# KiCad board skibidi-phone-usb-hub.kicad_pcb
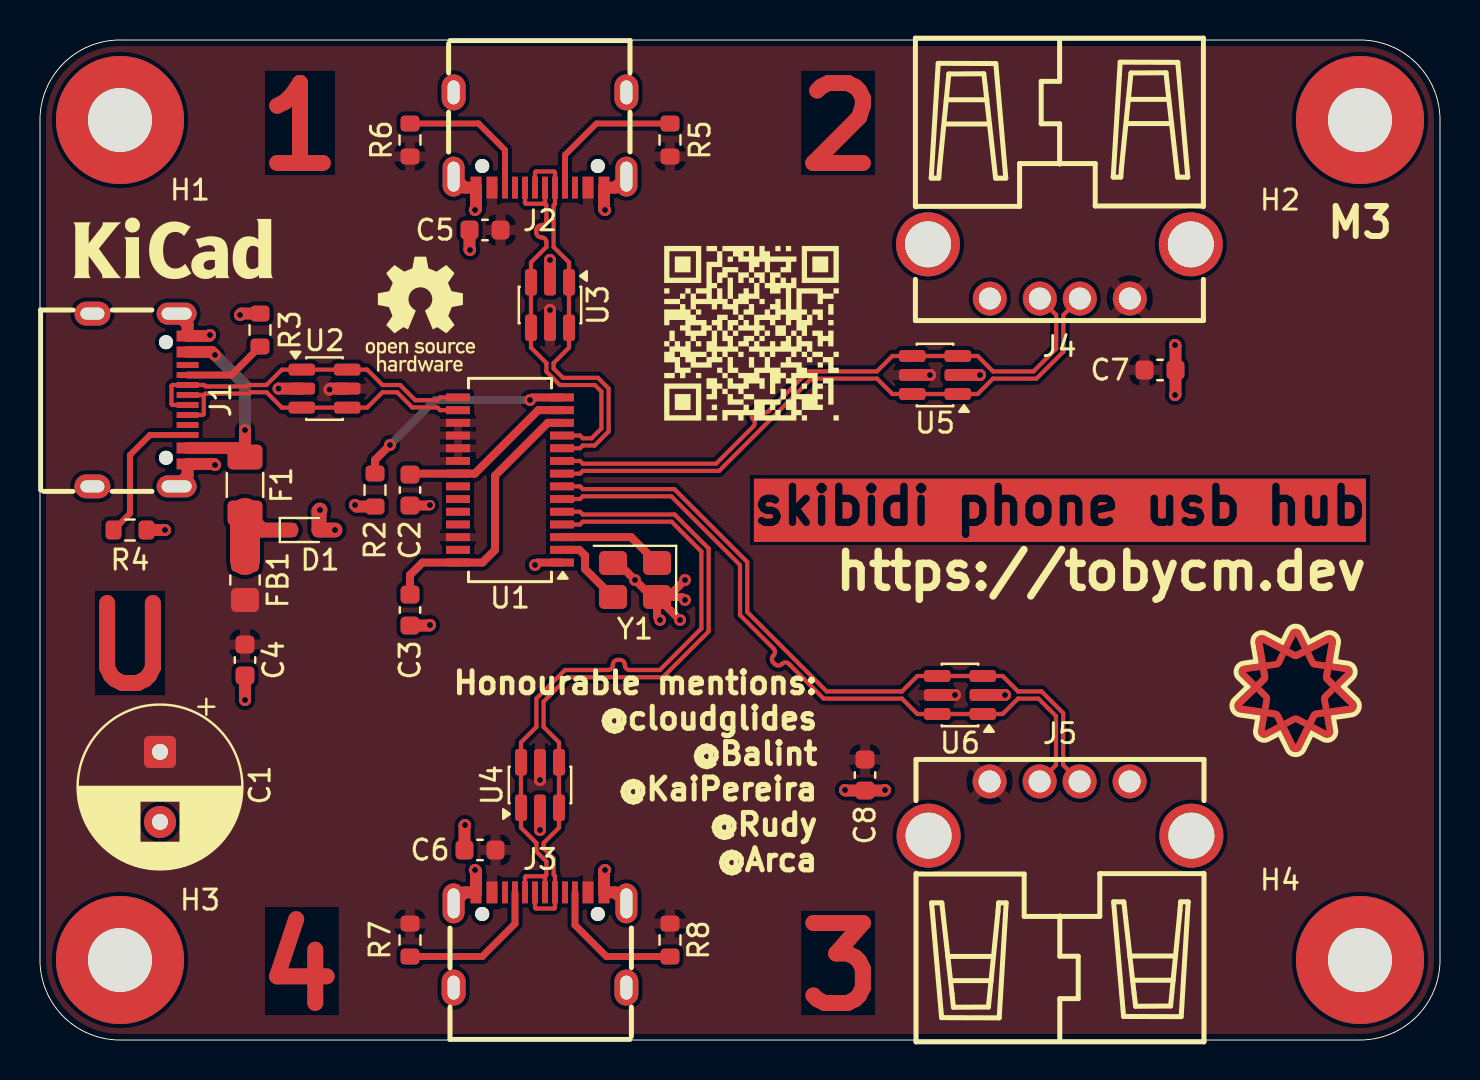
[diagram p0: board, top side]
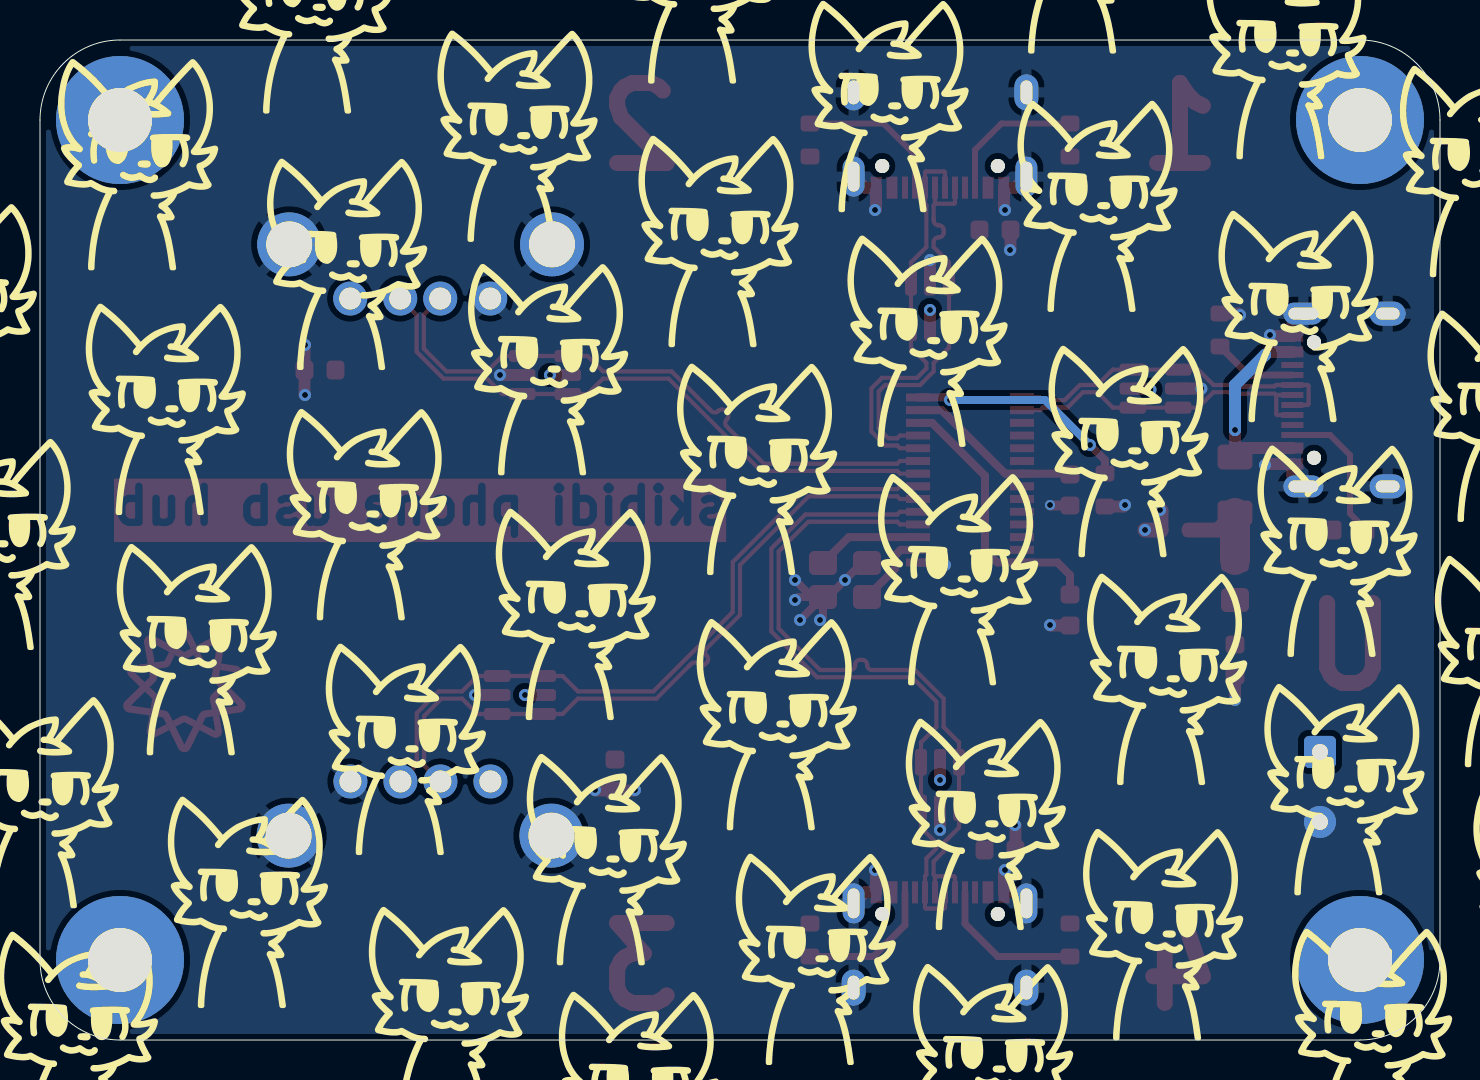
[diagram p1: board, bottom side, seen from below]

Outline 70 x 50 mm; copper layers: Top, In1.Cu, In2.Cu, Bottom. Coordinates in mm from the lower left corner of the outline.
Outline path: 0,46 arc(1.17,48.83) 4,50 66,50 arc(68.83,48.83) 70,46 70,4 arc(68.83,1.17) 66,0 4,0 arc(1.17,1.17) 0,4 0,46
Stack: Top 0.035mm / dielectric 0.1mm FR4 er 4.5 / In1.Cu 0.035mm / dielectric 1.24mm FR4 er 4.5 / In2.Cu 0.035mm / dielectric 0.1mm FR4 er 4.5 / Bottom 0.035mm

## Placement (name value [footprint] x y rotation side)
C1  470u  [CP_Radial_D8.0mm_P3.50mm]  6 14.4 270 top
C2  10u  [C_0603_1608Metric]  18.5 27.5 270 top
C3  10u  [C_0603_1608Metric]  18.5 21.5 270 top
C4  10u  [C_0603_1608Metric]  10.25 19 270 top
C5  10u  [C_0603_1608Metric]  22.25 40.5 180 top
C6  10u  [C_0603_1608Metric]  22 9.5 180 top
C7  10u  [C_0603_1608Metric]  56 33.5 0 top
C8  10u  [C_0603_1608Metric]  41.25 13.25 270 top
D1  5V  [D_SOD-523]  13.25 25.5 0 top
F1  2A  [Fuse_1206_3216Metric]  10.25 27.75 270 top
FB1  220Ω@100MHz  [R_0805_2012Metric_Pad1.20x1.40mm_HandSolder]  10.25 23 270 top
H1  MountingHole  [MountingHole_3.2mm_M3_Pad]  4 46 0 top
H2  MountingHole  [MountingHole_3.2mm_M3_Pad]  66 46 0 top
H3  MountingHole  [MountingHole_3.2mm_M3_Pad]  4 4 0 top
H4  MountingHole  [MountingHole_3.2mm_M3_Pad]  66 4 0 top
J1  USB_C_Receptacle_USB2.0_16P  [USB-C-SMD_TYPE-C-6PIN-2MD-073]  5 32 270 top
J2  USB_C_Receptacle_USB2.0_16P  [USB-C-SMD_TYPE-C-6PIN-2MD-073]  25 45 180 top
J3  USB_C_Receptacle_USB2.0_16P  [USB-C-SMD_TYPE-C-6PIN-2MD-073]  25 5 0 top
J4  USB_A  [USB-A-TH_AF-WJDG]  50.97 38.43 180 top
J5  USB_A  [USB-A-TH_AF-WJDG]  51 11.57 0 top
R2  2.7k  [R_0603_1608Metric]  16.75 27.5 90 top
R3  5.1k  [R_0603_1608Metric]  11 35.5 90 top
R4  5.1k  [R_0603_1608Metric]  4.5 25.5 0 top
R5  56k  [R_0603_1608Metric]  31.5 45 90 top
R6  56k  [R_0603_1608Metric]  18.5 45 90 top
R7  56k  [R_0603_1608Metric]  18.5 5 270 top
R8  56k  [R_0603_1608Metric]  31.5 5 270 top
U1  FE1.1s  [SSOP-28_3.9x9.9mm_P0.635mm]  23.5 28 180 top
U2  USBLC6-2SC6  [SOT-23-6]  14.23 32.57 0 top
U3  USBLC6-2SC6  [SOT-23-6]  25.5 36.75 270 top
U4  USBLC6-2SC6  [SOT-23-6]  25 12.75 90 top
U5  USBLC6-2SC6  [SOT-23-6]  44.75 33.25 180 top
U6  USBLC6-2SC6  [SOT-23-6]  46 17.25 180 top
Y1  12Mhz  [Crystal_SMD_3225-4Pin_3.2x2.5mm]  29.75 23 180 top

## Library data of the parts
C1 = -: Description: Polarized capacitor; LCSC Part: C49232874; ki_fp_filters: CP_*
C2-C8 = -: Description: Unpolarized capacitor; LCSC Part: C96446; ki_fp_filters: C_*
D1 = -: Description: Bidirectional transient-voltage-suppression diode; LCSC Part: C82044; ki_fp_filters: TO-???* *_Diode_* *SingleDiode* D_*
F1 = -: Description: Resettable fuse, polymeric positive temperature coefficient; LCSC Part: C883135; ki_fp_filters: *polyfuse* *PTC*
FB1 = -: Description: Ferrite bead; LCSC Part: C85840; ki_fp_filters: Inductor_* L_* *Ferrite*
H1-H4 = -: Description: Mounting Hole without connection; ki_fp_filters: MountingHole*
J1-J3 = -: Datasheet: https://www.usb.org/sites/default/files/documents/usb_type-c.zip; Description: USB 2.0-only 16P Type-C Receptacle connector; LCSC Part: C2765186; ki_fp_filters: USB*C*Receptacle*
J4 J5 = -: Description: USB Type A connector; LCSC Part: C456018; ki_fp_filters: USB*
R2 = -: Description: Resistor; LCSC Part: C2907008; ki_fp_filters: R_*
R3 R4 = -: Description: Resistor; LCSC Part: C2907044; ki_fp_filters: R_*
R5-R8 = -: Description: Resistor; LCSC Part: C23206; ki_fp_filters: R_*
U1 = -: Datasheet: https://cdn-shop.adafruit.com/product-files/2991/FE1.1s+Data+Sheet+(Rev.+1.0).pdf; Description: USB 2.0 High Speed 4-Port Hub Controller, SSOP-28; LCSC Part: C9359; ki_fp_filters: SSOP*3.9x9.9mm*P0.635mm*
U2-U6 = -: Datasheet: https://www.st.com/resource/en/datasheet/usblc6-2.pdf; Description: Very low capacitance ESD protection diode, 2 data-line, SOT-23-6; LCSC Part: C2827654; ki_fp_filters: SOT?23*
Y1 = -: Description: Four pin crystal, GND on pins 2 and 4; LCSC Part: C5280578; ki_fp_filters: Crystal*

## Footprints (pads in the part's own frame, mm; a bottom-side part is the same pattern mirrored in y, then rotated)
C_0603_1608Metric
  rrect 0.9x0.95 smd: 1(-0.775,0) 2(0.775,0)
CP_Radial_D8.0mm_P3.50mm
  rrect 1.6x1.6 hole 0.8: 1(0,0)
  round 1.6 hole 0.8: 2(3.5,0)
Crystal_SMD_3225-4Pin_3.2x2.5mm
  rrect 1.4x1.2 smd: 1(-1.1,-0.85) 2(1.1,-0.85) 3(1.1,0.85) 4(-1.1,0.85)
D_SOD-523
  rrect 0.6x0.7 smd: 1(-0.7,0) 2(0.7,0)
Fuse_1206_3216Metric
  rrect 1.25x1.75 smd: 1(-1.4,0) 2(1.4,0)
MountingHole_3.2mm_M3_Pad
  round 6.4 hole 3.2: 1(0,0)
R_0603_1608Metric
  rrect 0.8x0.95 smd: 1(-0.825,0) 2(0.825,0)
R_0805_2012Metric_Pad1.20x1.40mm_HandSolder
  rrect 1.2x1.4 smd: 1(-1,0) 2(1,0)
SOT-23-6
  rrect 1.325x0.6 smd: 1(-1.137,0.95) 2(-1.137,0) 3(-1.137,-0.95) 4(1.137,-0.95) 5(1.137,0) 6(1.137,0.95)
SSOP-28_3.9x9.9mm_P0.635mm
  rect 1.2x0.4 smd: 1(-2.6,4.128) 2(-2.6,3.493) 3(-2.6,2.857) 4(-2.6,2.223) 5(-2.6,1.587) 6(-2.6,0.953) 7(-2.6,0.318) 8(-2.6,-0.318) 9(-2.6,-0.953) 10(-2.6,-1.587) 11(-2.6,-2.223) 12(-2.6,-2.857) 13(-2.6,-3.493) 14(-2.6,-4.128) 15(2.6,-4.128) 16(2.6,-3.493) 17(2.6,-2.857) 18(2.6,-2.223) 19(2.6,-1.587) 20(2.6,-0.953) 21(2.6,-0.318) 22(2.6,0.318) 23(2.6,0.953) 24(2.6,1.587) 25(2.6,2.223) 26(2.6,2.857) 27(2.6,3.493) 28(2.6,4.128)
USB-A-TH_AF-WJDG
  round 1.7 hole 1.1: 1(-3.52,1.36) 2(-1.02,1.36) 3(0.98,1.36) 4(3.48,1.36)
  round 3.2 hole 2.3: 5(-6.57,-1.35) 5(6.57,-1.35)
USB-C-SMD_TYPE-C-6PIN-2MD-073
  round 0.7 hole 0.7: (-2.89,1.3) (2.89,1.3)
  rect 0.55x1.1 smd: A1(-3.2,2.38) A4(-2.4,2.38) A9(2.4,2.38) B1(3.2,2.38)
  rect 0.3x1.1 smd: A5(-1.25,2.38) A6(-0.25,2.38) A7(0.25,2.38) A8(1.25,2.38) B5(1.75,2.38) B6(0.75,2.38) B7(-0.75,2.38) B8(-1.75,2.38)
  oval 1.1x2 hole 0.6x1.5: S1(-4.32,1.83) S1(4.32,1.83)
  oval 1.2x1.8 hole 0.6x1.2: S1(-4.32,-2.38) S1(4.32,-2.38)

## Nets
+1V8: C3.1 U1.12 U1.28
+3V3: C2.1 U1.13 U1.21
GND: C1.2 C2.2 C3.2 C4.2 C5.2 C6.2 C7.2 C8.2 D1.2 J1.A1 J1.B1 J1.S1 J2.A1 J2.B1 J2.S1 J3.A1 J3.B1 J3.S1 J4.4 J4.5 J5.4 J5.5 R2.1 R3.2 R4.2 U1.1 U2.2 U3.2 U4.2 U5.2 U6.2 Y1.2 Y1.4
VBUS: C1.1 C4.1 C5.1 C6.1 C7.1 C8.1 FB1.2 J2.A4 J2.A9 J3.A4 J3.A9 J4.1 J5.1 R5.1 R6.1 R7.1 R8.1 U1.17 U1.18 U1.19 U1.20 U1.26 U2.5 U3.5 U4.5 U5.5 U6.5
/1D+: J2.A6 J2.B6 U1.11 U3.3 U3.4
/1D-: J2.A7 J2.B7 U1.10 U3.1 U3.6
/2D+: J4.3 U1.9 U5.3 U5.4
/2D-: J4.2 U1.8 U5.1 U5.6
/3D+: J5.3 U1.7 U6.3 U6.4
/3D-: J5.2 U1.6 U6.1 U6.6
/4D+: J3.A6 J3.B6 U1.5 U4.3 U4.4
/4D-: J3.A7 J3.B7 U1.4 U4.1 U4.6
/UD+: J1.A6 J1.B6 U1.16 U2.3 U2.4
/UD-: J1.A7 J1.B7 U1.15 U2.1 U2.6
/XI: U1.3 Y1.1
/XO: U1.2 Y1.3
Net-(D1-A1): D1.1 F1.2 FB1.1
Net-(F1-Pad1): F1.1 J1.A4 J1.A9
Net-(J1-CC1): J1.A5 R3.1
Net-(J1-CC2): J1.B5 R4.1
Net-(J2-CC1): J2.A5 R5.2
Net-(J2-CC2): J2.B5 R6.2
Net-(J3-CC1): J3.A5 R7.2
Net-(J3-CC2): J3.B5 R8.2
Net-(U1-REXT): R2.2 U1.14

Pads without a net: H1 1; H2 1; H3 1; H4 1; J1 A8 B8; J2 A8 B8; J3 A8 B8; U1 22 23 24 25 27

## Via types
v1: diameter 0.6, hole 0.3, Top to Bottom, 39 vias
v2: diameter 0.5, hole 0.3, Top to Bottom, 1 via

## Routing (per net, layer and track width the routed paths; a pad name or vN(x,y) marks a point on that pad's centre or on a via; arc(x,y) is an arc through that point)
+1V8: length 13.9
  Top w0.4: C3.1 18.5,23.25 19.12,23.87 U1.28 22.12,23.87 22.75,24.5 22.75,28.22 25.39,30.86 U1.12
+3V3: length 8.9
  Top w0.4: C2.1 18.54,28.32 U1.21 21.74,28.32 24.91,31.49 U1.13
GND: length 46
  Top w0.4: Y1.4 30.85,21.15 v1(31,21) ; Y1.4 32.1,22.15 v1(32.25,22) ; Y1.4 30.6,22.15 v1(29.75,23) 28.9,23.85 Y1.2 ; Y1.4 31.4,22.15 v1(32.25,23) ; Y1.4 v1(32,21) ; U1.1 24.87,23.87 v1(24.75,23.75)
  Top w0.5: C2.2 19.47,26.72 v2(19.5,26.75)
  Top w0.6: v1(21.25,10.75) 21.22,10.72 C6.2 ; v1(40.25,12.5) 40.28,12.47 C8.2 42.22,12.47 v1(42.25,12.5) ; v1(21.5,39.5) 21.47,39.53 C5.2 ; v1(21.75,8.5) 21.8,8.45 J3.A1 21.23,7.38 J3.S1 ; J1.S1 7.38,28.23 J1.B1 8.7,28.8 v1(8.75,28.75) ; v1(8.5,35.25) 8.45,35.2 J1.A1 7.38,35.77 J1.S1 ; v1(19.5,20.75) 19.47,20.72 C3.2 ; v1(56.75,32.25) 56.78,32.28 C7.2 56.78,34.72 v1(56.75,34.75) ; J2.S1 21.23,42.62 J2.B1 21.8,41.55 v1(21.75,41.5) ; v1(28.25,41.5) 28.2,41.55 J2.A1 28.77,42.62 J2.S1 ; U6.2 v1(48.25,17.25) ; U3.2 v1(25.5,39) ; v1(10,36.25) 10.08,36.33 R3.2 ; v1(15.75,26.75) 15.83,26.67 R2.1 ; C4.2 v1(10.25,17) ; J3.S1 28.77,7.38 J3.B1 28.2,8.45 v1(28.25,8.5) ; R4.2 v1(6.25,25.5) ; U2.2 v1(11.93,32.57) ; U4.2 v1(25,10.5) ; U5.2 v1(47,33.25)
  Top w0.75: v1(14,26.5) 13.95,26.45 D1.2 v1(14.75,25.5)
VBUS: length 4.5
  Top w0.6: U4.5 v1(25,13) ; v1(14.48,32.52) 14.53,32.57 U2.5 ; U3.5 v1(25.5,36.5) ; U5.5 v1(44.5,33.25) ; U6.5 v1(45.75,17.25)
/1D+: length 20.3
  Top w0.211: J2.B6 24.25,41.86 24.3,41.81 25.2,41.81 25.25,41.86 J2.A6 25.25,41.79 25.32,41.73 25.32,40.97 arc(25.25,40.8) 25.08,40.73 25.05,40.73 arc(24.88,40.66) 24.81,40.49 24.81,40.37 arc(24.88,40.2) 25.05,40.13 25.08,40.13 arc(25.25,40.06) 25.32,39.89 25.32,39.65 24.55,38.88 U3.3 U3.4 24.55,34.62 25.32,33.85 25.32,33.43 26,32.75 27.75,32.75 28.07,32.43 28.07,30.57 27.58,30.09 27.14,30.09 27,30.22 U1.11
/1D-: length 20.3
  Top w0.211: U1.10 27,29.59 27.14,29.72 27.73,29.72 28.43,30.43 28.43,32.57 27.9,33.11 26.15,33.11 25.68,33.57 25.68,33.85 26.45,34.62 U3.6 U3.1 26.45,38.88 25.68,39.65 25.68,41.73 25.75,41.79 J2.B7 25.75,43.38 25.7,43.43 24.8,43.43 24.75,43.38 J2.A7
/2D+: length 31.2
  Top w0.211: U1.9 27,28.95 27.14,28.82 33.8,28.82 35.67,30.68 arc(35.74,30.85) 35.67,31.02 35.65,31.04 arc(35.58,31.21) 35.65,31.38 35.74,31.46 arc(35.91,31.53) 36.08,31.46 36.09,31.44 arc(36.26,31.37) 36.43,31.44 38.42,33.43 41.85,33.43 42.62,34.2 U5.4 U5.3 46.88,34.2 47.65,33.43 49.68,33.43 50.81,34.56 50.81,36.25 J4.3
/2D-: length 31.2
  Top w0.211: U1.8 27,28.32 27.14,28.45 33.95,28.45 38.57,33.07 41.85,33.07 42.62,32.3 U5.6 U5.1 46.88,32.3 47.65,33.07 49.82,33.07 51.17,34.42 51.17,36.25 J4.2
/3D+: length 35.6
  Top w0.211: J5.3 51.16,13.75 51.16,16.34 50.07,17.43 48.9,17.43 48.13,18.2 U6.3 U6.4 43.87,18.2 43.1,17.43 39.33,17.43 35.36,21.4 35.36,23.9 31.72,27.55 27.14,27.55 27,27.68 U1.7
/3D-: length 35.6
  Top w0.211: U1.6 27,27.05 27.14,27.18 31.57,27.18 35,23.75 35,21.25 36.68,19.57 arc(36.75,19.4) 36.68,19.23 36.66,19.21 arc(36.59,19.04) 36.66,18.88 36.75,18.79 arc(36.91,18.72) 37.08,18.79 37.1,18.81 arc(37.27,18.88) 37.44,18.81 39.18,17.07 43.1,17.07 43.87,16.3 U6.6 U6.1 48.13,16.3 48.9,17.07 49.93,17.07 50.8,16.2 50.8,13.75 J5.2
/4D+: length 34.9
  Top w0.211: U1.5 27,26.41 27.14,26.28 31.73,26.28 33.43,24.57 33.43,20.43 31.14,18.14 26.4,18.14 25.18,16.92 25.18,15.65 25.95,14.88 U4.4 U4.3 25.95,10.62 25.18,9.85 25.18,9.57 25.68,9.07 25.68,8.27 25.75,8.21 J3.B6 25.75,6.62 25.7,6.57 24.8,6.57 24.75,6.62 J3.A6
/4D-: length 34.9
  Top w0.211: J3.B7 24.25,8.14 24.3,8.19 25.2,8.19 25.25,8.14 J3.A7 25.25,8.21 25.32,8.27 25.32,8.93 24.82,9.43 24.82,9.85 24.05,10.62 U4.1 U4.6 24.05,14.88 24.82,15.65 24.82,17.07 26.25,18.5 28.4,18.5 arc(28.57,18.57) 28.64,18.74 28.64,18.77 arc(28.71,18.93) 28.88,19.01 29,19.01 arc(29.17,18.93) 29.24,18.77 29.24,18.74 arc(29.31,18.57) 29.48,18.5 30.99,18.5 33.07,20.57 33.07,24.43 31.58,25.91 27.14,25.91 27,25.78 U1.4
/UD+: length 17.1
  Top w0.211: J1.B6 8.14,31.25 8.19,31.3 8.19,32.2 8.14,32.25 J1.A6 8.21,32.25 8.27,32.32 10.47,32.32 10.54,32.39 11.32,32.39 12.09,31.62 U2.3 U2.4 16.36,31.62 17.13,32.39 17.86,32.39 18.62,31.63 19.86,31.63 20,31.49 U1.16
/UD-: length 17.1
  Top w0.211: J1.A7 6.62,31.75 6.57,31.8 6.57,32.7 6.62,32.75 J1.B7 8.21,32.75 8.27,32.68 10.32,32.68 10.39,32.75 11.32,32.75 12.09,33.52 U2.1 U2.6 16.36,33.52 17.13,32.75 18.01,32.75 18.76,31.99 19.86,31.99 20,32.13 U1.15
/XI: length 5.3
  Top w0.4: U1.3 29.56,25.14 Y1.1
/XO: length 3.9
  Top w0.4: Y1.3 27.25,23.55 27.25,24.22 26.97,24.51 U1.2
Net-(D1-A1): length 5.1
  Top w0.6: 10.3,26.3 F1.2
  Top w0.75: F1.2 11.1,25.5 D1.1
  Top w1.5: FB1.1 F1.2
Net-(F1-Pad1): length 10.2
  Top w0.6: J1.A9 9.8,29.6 F1.1 v1(10.25,30.5) ; v1(8.75,34.25) 8.6,34.4 J1.A4
  Bottom w0.6: v1(8.75,34.25) 10.25,32.75 v1(10.25,30.5)
Net-(J1-CC1): length 4.2
  Top w0.35: J1.A5 9.58,33.25 R3.1
Net-(J1-CC2): length 7.4
  Top w0.3: R4.1 4.5,26.33 4.5,29.25 5.5,30.25 J1.B5
Net-(J2-CC1): length 7.5
  Top w0.3: J2.A5 26.25,44.25 27.82,45.83 R5.2
Net-(J2-CC2): length 7.2
  Top w0.3: J2.B5 23.25,44.5 21.92,45.83 R6.2
Net-(J3-CC1): length 7.5
  Top w0.35: R7.2 22.11,4.17 23.75,5.81 J3.A5
Net-(J3-CC2): length 7
  Top w0.35: J3.B5 26.75,5.75 28.32,4.17 R8.2
Net-(U1-REXT): length 11.3
  Top w0.4: U1.14 24.63,32.13 v1(24.5,32) ; v1(17.5,29.75) 16.75,29 R2.2
  Bottom w0.4: v1(17.5,29.75) 19.75,32 v1(24.5,32)

## Copper pours and planes (outline as drawn; the poured copper is in the pictures)
GND on Bottom, In1.Cu: 0,50 90,50 90,0 0,0
VBUS on Top, In2.Cu: 0,50 90,50 90,0 0,0

Small or netless copper shapes (teardrops, artwork), in the pictures only: 11 on Top

## Text on the board
Top: skibidi phone usb hub | U | 1 | 4 | 2 | 3
F.Mask: skibidi phone usb hub | U | 1 | 4 | 2 | 3
F.Silkscreen: Honourable mentions: / @cloudglides / @Balint / @KaiPereira / @Rudy / @Arca | M3 | https://tobycm.dev
